# Altium PCB Project_board_V3.0.PcbDoc (part 1 of 2) (continued)
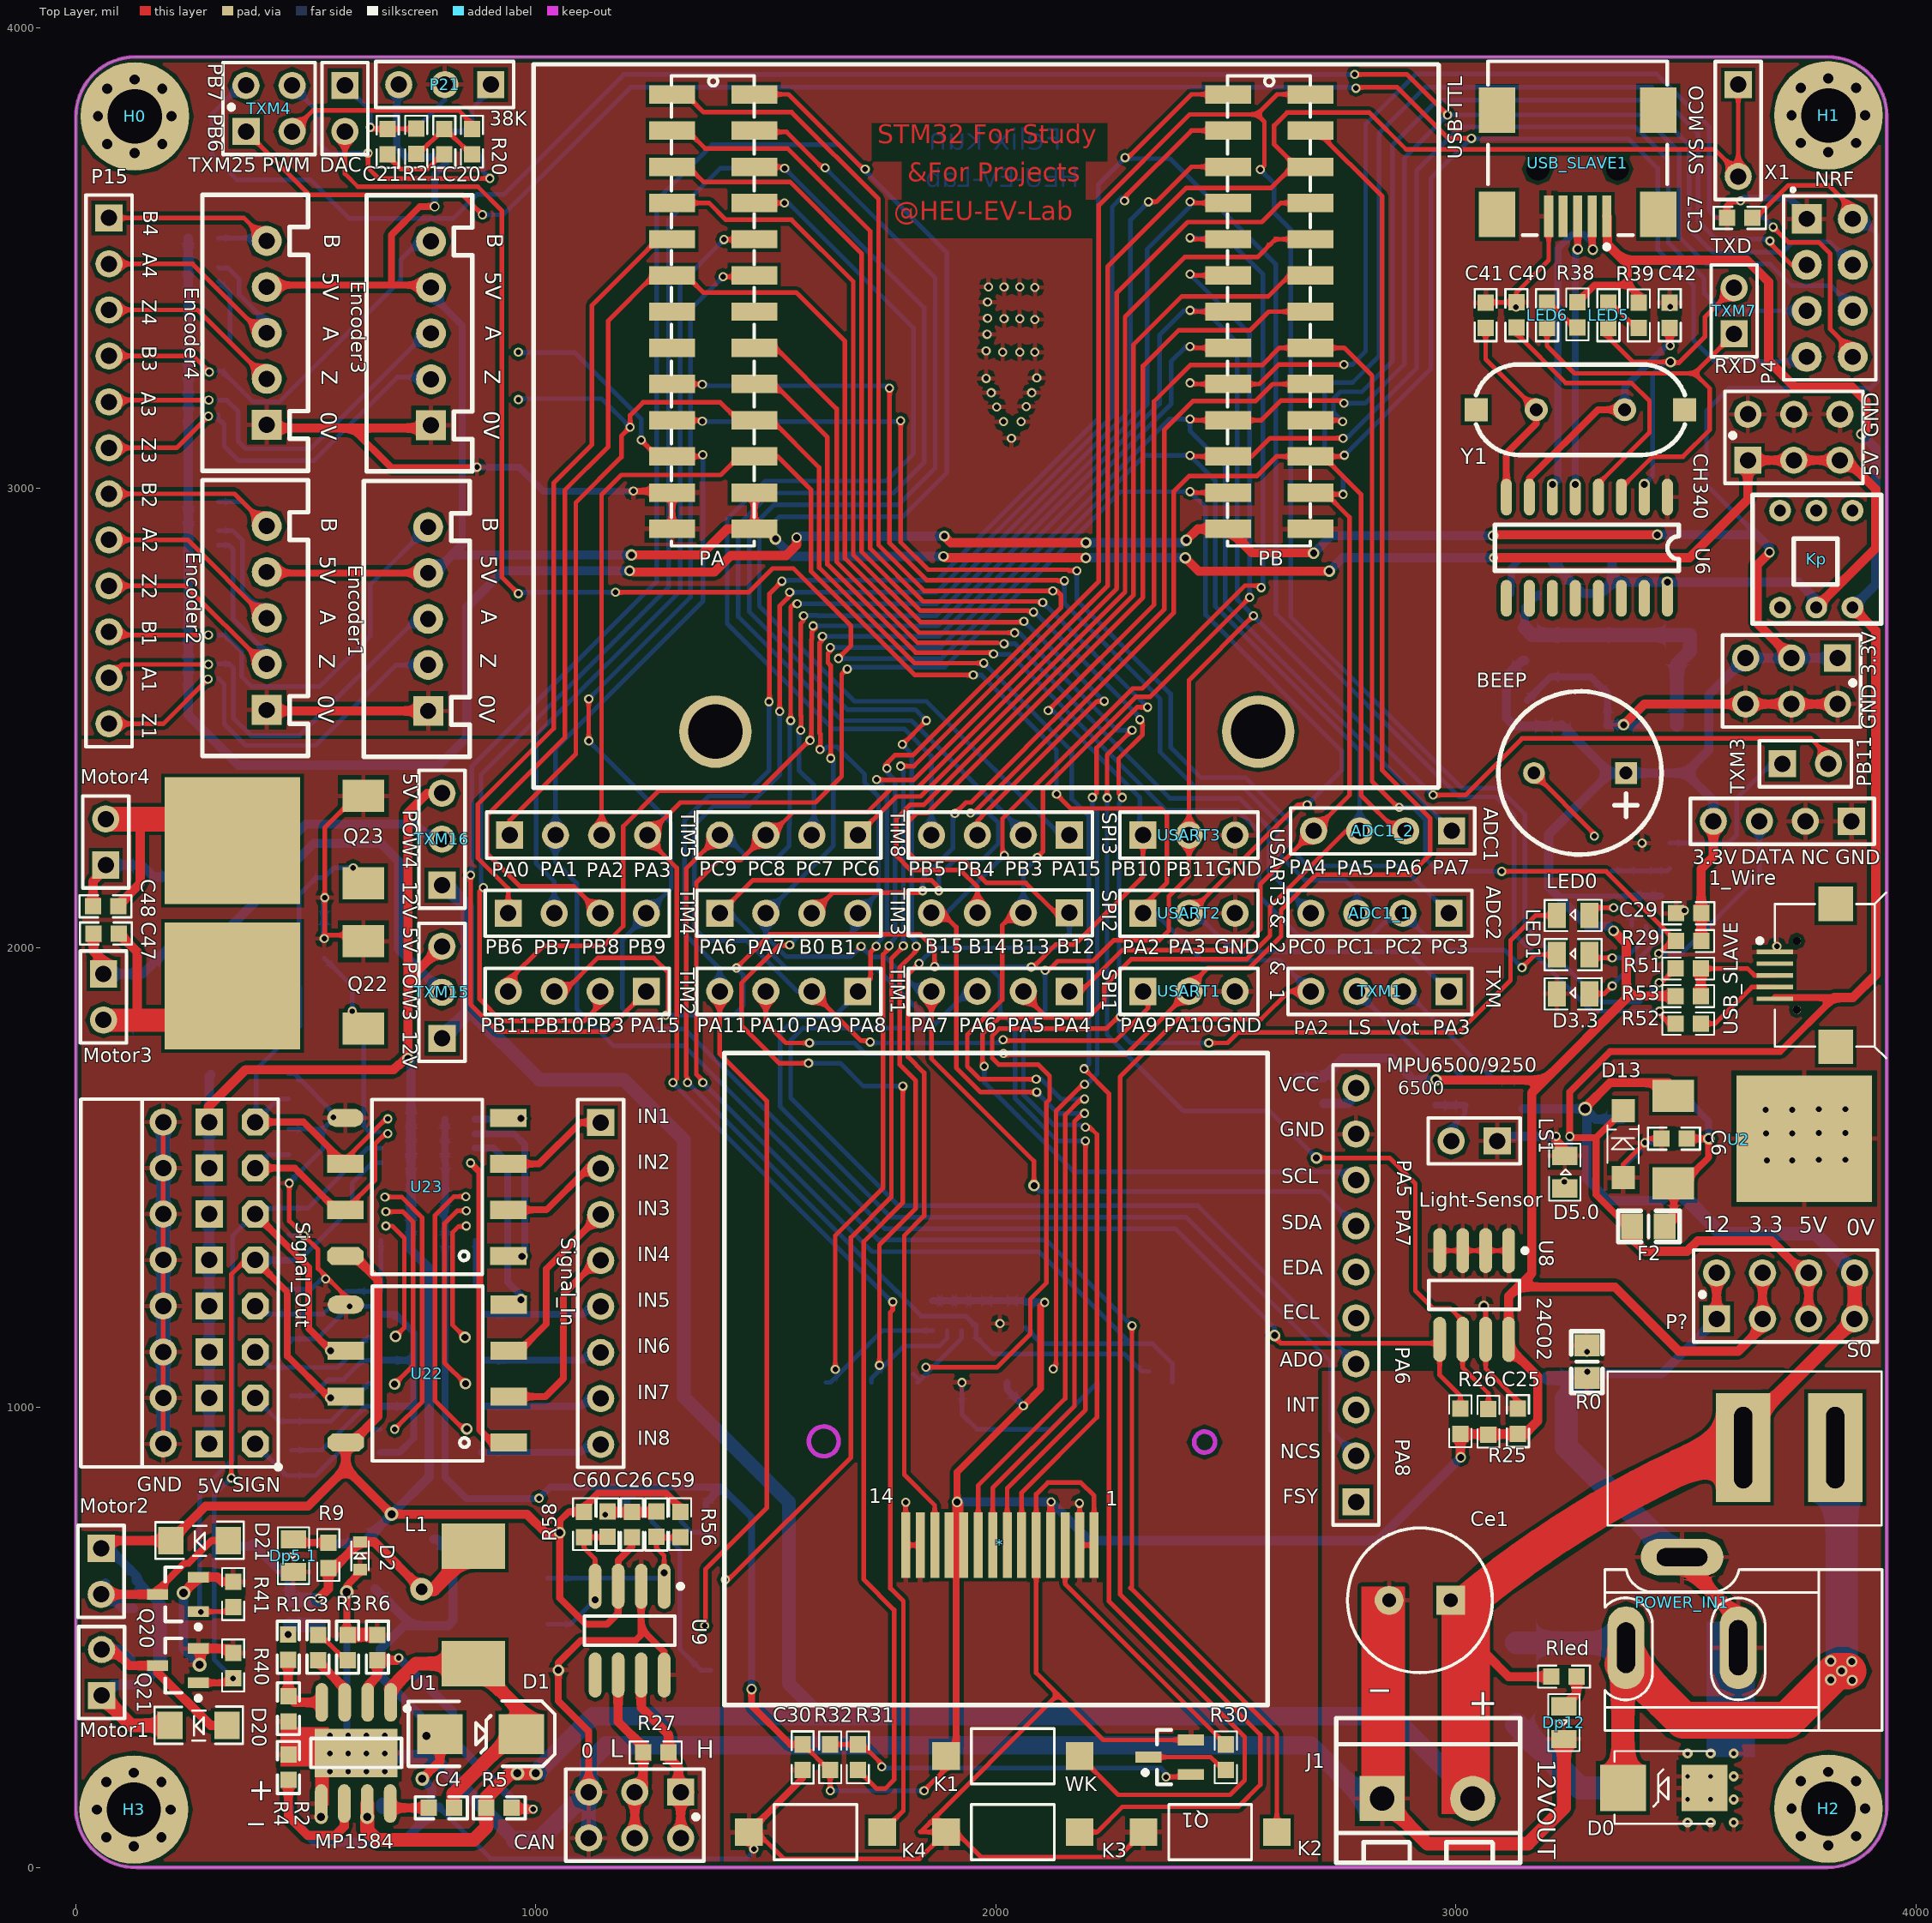
[diagram p0: Top Layer view]
## Footprints (in the part's own frame and the unit in brackets; to place one, negate y for a bottom-side part, rotate by r counter-clockwise, add the part's x,y. Pads: shape width x height; smd on the part's side, far side on the other; paste and mask are expansions set on the pad)
BELL-5 [mm]
  rect 1.2x1.2 hole 0.7: 1(-2.54,0)
  round 1.2 hole 0.7: 2(2.54,0)
  silkscreen extent -4.51,-4.51 4.51,4.51
C1210_M [mm] "Chip Capacitor, Body 3.2x2.5mm, IPC Low Density"
  rect 1.5x2.8 smd: 1(-1.55,0) 2(1.55,0)
  silkscreen extent -0.4,-1.3 0.4,1.3, body extent -1.7,-1.35 1.7,1.35, height 1.5
CAP_0603_16*08 [mm]
  rect 0.9x0.9 smd: 1(-0.7,0) 2(0.7,0)
  silkscreen extent -1.45,-0.61 1.42,0.61, body extent -1.31,-0.49 1.29,0.51, height 0.89
CAP_0805_20*12 [mm] "Chip Resistor, Body 2.0x1.2mm, IPC Medium Density"
  rect 1.2x1.4 smd: 1(-0.9,0) 2(0.9,0)
  silkscreen extent -1.72,-0.87 1.67,0.86, body extent -1.5,-0.69 1.5,0.71, height 0.93
CAP_1206 [mm] "Chip Capacitor, Body 3.2x1.6mm, IPC High Density"
  rect 1.6x1.7 smd: 1(-1.35,0) 2(1.35,0)
  silkscreen extent -2.44,-1.14 2.44,1.14, body extent -2.1,-0.87 2.1,0.93, height 0.95
Cap_elc_330uF16V [mm]
  rect 1.6x1.6 hole 0.762: 1(-1.7,0)
  round 1.6 hole 0.762: 2(1.7,0)
  silkscreen extent -4,-4 4,4
Diode1206 [mil] "1N4148"
  rect 55x60 smd: 1(-62,0) 2(62,0)
  silkscreen extent -96,-41 96,40, body extent -70,-29 68,29, height 56
DPAK [mil]
  rect 90x70 smd: 1(-160,100) 3(-160,-90)
  rect 295.28x275.6 smd: 2(124.63,6.81)
FUSE3.5*5.5 [mm] "5.6V/2.6A"
  rect 1.4x3.2 smd: 1(-2.54,0) 2(2.54,0)
  silkscreen extent -3.56,-1.78 3.56,1.78
HDR2X4 [mil] "Connector; Header; 4x2 Position"
  rect 65x65 hole 35: 1(0,0)
  round 65 hole 35: 2(0,100) 3(100,0) 4(100,100) 5(200,0) 6(200,100) 7(300,0) 8(300,100)
  silkscreen extent -67,-50 350,150
HEAD2L-0.8 [mm]
  rect 2.5x2.5 hole 1.35: 1(0,0)
  round 2.5 hole 1.35: 2(5,0)
  silkscreen extent -2.54,-3.56 7.62,4.44
HeadER1*2_pin [mm]
  rect 1.5x1.5 hole 0.9: 1(-1.27,0)
  round 1.5 hole 0.9: 2(1.27,0)
  silkscreen extent -2.54,-1.27 2.54,1.27, body extent -2.51,-1.25 2.57,1.25, height 8.64
HEADER1*3_PIN [mm]
  rect 1.5x1.5 hole 0.9: 1(-2.54,0)
  round 1.5 hole 0.9: 2(0,0) 3(2.54,0)
  silkscreen extent -3.81,-1.27 3.81,1.27, body extent -3.84,-1.22 3.78,1.28, height 8.54
HEADER1*4_PIN [mm]
  rect 1.5x1.5 hole 0.9: 1(-3.81,0)
  round 1.5 hole 0.9: 2(-1.27,0) 3(1.27,0) 4(3.81,0)
  silkscreen extent -5.08,-1.27 5.08,1.27, body extent -5.05,-1.31 5.11,1.19, height 8.67
HEADER1*8_PIN [mm]
  rect 1.5x1.5 hole 0.9: 1(-6.858,1.016)
  round 1.5 hole 0.9: 2(-4.318,1.016) 3(-1.778,1.016) 4(0.762,1.016) 5(3.302,1.016) 6(5.842,1.016) 7(8.382,1.016) 8(10.922,1.016)
  silkscreen extent -8.13,-0.25 12.19,2.29, body extent -8.15,-0.16 12.17,2.34, height 3.03
HEADER1*10_PIN [mm] "Connector; Header; 10 Position"
  rect 1.5x1.5 hole 0.9: 1(-11.43,0)
  round 1.5 hole 0.9: 2(-8.89,0) 3(-6.35,0) 4(-3.81,0) 5(-1.27,0) 6(1.27,0) 7(3.81,0) 8(6.35,0) 9(8.89,0) 10(11.43,0)
  silkscreen extent -12.7,-1.27 12.7,1.27, body extent -12.7,-1.25 12.7,1.25, height 3.03
HEADER1*12_PIN [mm] "Connector; Header; 12 Position"
  rect 1.5x1.5 hole 0.9: 1(-13.97,0)
  round 1.5 hole 0.9: 2(-11.43,0) 3(-8.89,0) 4(-6.35,0) 5(-3.81,0) 6(-1.27,0) 7(1.27,0) 8(3.81,0) 9(6.35,0) 10(8.89,0) 11(11.43,0) 12(13.97,0)
  silkscreen extent -15.24,-1.27 15.24,1.27, body extent -15.24,-1.25 15.24,1.25, height 8.57
HEADER2*2_PIN [mm] "Connector; Header; 2x2 Position"
  rect 1.5x1.5 hole 0.9: 1(-1.27,-1.27)
  round 1.5 hole 0.9: 2(-1.27,1.27) 3(1.27,-1.27) 4(1.27,1.27)
  silkscreen extent -2.54,-2.54 2.54,2.54, body extent -2.54,-2.52 2.54,2.52, height 8.54
HEADER2*3_PIN [mm] "Connector; Header; 3x2 Position"
  rect 1.5x1.5 hole 0.9: 1(-2.54,-1.27)
  round 1.5 hole 0.9: 2(0,-1.27) 3(2.54,-1.27) 4(-2.54,1.27) 5(0,1.27) 6(2.54,1.27)
  silkscreen extent -3.81,-2.54 3.81,2.54, body extent -3.78,-2.51 3.84,2.53, height 2.49
HEADER2*4_PIN [mm] "Connector; Header; 4x2 Position"
  rect 1.5x1.5 hole 0.9: 1(-3.81,-1.27)
  round 1.5 hole 0.9: 2(-1.27,-1.27) 3(1.27,-1.27) 4(3.81,-1.27) 5(-3.81,1.27) 6(-1.27,1.27) 7(1.27,1.27) 8(3.81,1.27)
  silkscreen extent -5.08,-2.54 5.08,2.54, body extent -5.05,-2.47 5.11,2.57, height 8.54
HEADER2*13_SMD [mm]
  rect 1.016x2.54 smd: 1(-13,2.27) 2(-11,2.27) 3(-9,2.27) 4(-7,2.27) 5(-5,2.27) 6(-3,2.27) 7(-1,2.27) 8(1,2.27) 9(3,2.27) 10(5,2.27) 11(7,2.27) 12(9,2.27) 13(11,2.27) 14(11,-2.27) 15(9,-2.27) 16(7,-2.27) 17(5,-2.27) 18(3,-2.27) 19(1,-2.27) 20(-1,-2.27) 21(-3,-2.27) 22(-5,-2.27) 23(-7,-2.27) 24(-9,-2.27) 25(-11,-2.27) 26(-13,-2.27)
  silkscreen extent -14.02,-2.3 11.94,2.27
HEADER3*8 [mm]
  oct 1.5x1.5 hole 0.9: 1(3.81,1.27) 2(6.35,1.27) 3(8.89,1.27) 4(11.43,1.27) 5(13.97,1.27) 6(16.51,1.27) 7(19.05,1.27) 8(21.59,1.27)
  rect 1.5x1.5 hole 0.9: 9(3.81,3.81) 10(6.35,3.81) 11(8.89,3.81) 12(11.43,3.81) 13(13.97,3.81) 14(16.51,3.81) 15(19.05,3.81) 16(21.59,3.81)
  round 1.5 hole 0.9: 17(3.81,6.35) 18(6.35,6.35) 19(8.89,6.35) 20(11.43,6.35) 21(13.97,6.35) 22(16.51,6.35) 23(19.05,6.35) 24(21.59,6.35)
  silkscreen extent 2.41,-0.13 2.67,0.13
Header_U [mm]
  rect 1.5x1.5 hole 0.9: 1(-2.591,-0.025)
  round 1.5 hole 0.9: 2(2.489,-0.025)
  silkscreen extent -3.86,-1.3 3.76,1.24
IND_SMD22uh [mm]
  rect 2.5x3.5 smd: 1(-3.238,0) 2(3.238,0)
  body extent -3.58,-3.12 3.61,3.38, height 4.05
KEY_2 [mil]
  rect 60x60 smd: 1(-9.76,150) 2(-9.76,-140)
  silkscreen extent -70,-85 50,95
LED_0805 [mm]
  rect 1x1.4 smd: 1(-0.9,0) 2(0.9,0)
  silkscreen extent -1.57,-0.87 1.57,0.86, body extent -0.94,-0.66 1.09,0.61, height 1.1
P5 [mil]
  rect 65x65 hole 35: 1(-200,0)
  round 65 hole 35: 2(-100,0) 3(0,0) 4(100,0) 5(200,0)
  silkscreen extent -300,-90 300,140
PAD [mm]
  round 6 hole 3: 0(0,0)
  round 1 hole 0.562: 1(0,2.032) 2(1.524,1.524) 3(2.032,0) 4(1.524,-1.524) 5(0,-2.032) 6(-1.524,-1.524) 7(-2.032,0) 8(-1.524,1.524)
  body extent -3.6,-3.12 3.6,3.12, height 3.33
POW_DC [mil]
  oval 80x180 hole 39.37 slot 110 at 90 deg: 1(419.09,170)
  oval 80x180 hole 39.37 slot 120 at 90 deg: 2(175,170)
  oval 180x80 hole 39.37 slot 110 at 0 deg: 3(297.05,-26.85)
  silkscreen extent -138,0 465,350, body extent -133,-41 442,333, height 430
POWER_PADS [mm]
  oval 5x8 smd: 1(3,0)
  oct 5x8 smd: 2(-3,0)
RES_0603_16*08 [mm]
  rect 0.9x0.9 smd: 1(-0.7,0) 2(0.7,0)
  silkscreen extent -1.45,-0.61 1.42,0.61, body extent -0.77,-0.37 0.83,0.43, height 0.5
RES_0805_20*12 [mm] "Chip Resistor, Body 2.0x1.2mm, IPC Medium Density"
  rect 1.2x1.4 smd: 1(-0.9,0) 2(0.9,0)
  silkscreen extent -1.72,-0.87 1.67,0.86, body extent -0.97,-0.6 1.03,0.66, height 0.68
RES_FOUR_0603 [mil]
  rect 30x23.62 smd: 1(-32.5,47.24) 2(-32.5,15.75) 3(-32.5,-15.75) 4(-32.5,-47.24) 5(32.5,-47.24) 6(32.5,-15.75) 7(32.5,15.75) 8(32.5,47.24)
  silkscreen extent -18,-58 18,58
SDCARD_L [mm]
  rect 1.2x1.8 smd: 1(0,0) 2(-2.489,0) 3(-4.983,-0.009) 4(-7.483,-0.009) 5(-9.983,-0.009) 6(-12.483,-0.009) 7(-14.908,-0.009) 9(2.517,-0.009)
  rect 1.1x1.8 smd: 8(-16.612,0)
  rect 0.7x1.8 smd: 10(-17.908,-0.009) 12(-19.101,0)
  rect 1.5x2.8 smd: 11(-20.726,-23.834) 11(-20.726,-2.143) 11(4.826,-2.143) 11(7.01,-23.784)
  Keep-Out Layer circle w0.254: c2.642,-3.26 r0.82
  Keep-Out Layer circle w0.254: c-18.39,-3.3 r0.58
  silkscreen extent -20.13,-26.3 6.44,-0.9
SMA [mm] "DO-214-AA/SMA; 2 C-Bend Leads; Body 5.3 x 3.6 mm, inc. leads (LxW)"
  rect 2.5x2.2 smd: 1(-2.25,0) 2(2.25,0)
  silkscreen extent -3.99,-1.78 4.1,1.83, body extent -2.77,-1.32 2.72,1.47, height 2.24
SMB [mm]
  rect 2.54x2.54 smd: 1(-2.25,0) 2(2.25,0)
  silkscreen extent -2.74,-2.03 2.72,1.98, body extent -2.8,-2.05 2.7,1.85, height 2.45
SMD-8/OPTION7 [mm] "VO4661"
  rect 2x1 smd: 1(-4.5,3.81) 2(-4.5,1.27) 3(-4.5,-1.27) 4(-4.5,-3.81) 6(4.5,-1.27) 7(4.5,1.27)
  oval 2x1 smd: 5(4.5,-3.81)
  oct 2x1 smd: 8(4.5,3.81)
  silkscreen extent -3.07,-4.83 3.03,4.83
SO8_M [mm] "SOIC, 8-Leads, Body 4.9x3.9mm, Pitch 1.27mm, IPC Low Density"
  oval 2.5x0.7 smd: 1(-2.45,1.905) 2(-2.45,0.635) 3(-2.45,-0.635) 4(-2.45,-1.905) 5(2.45,-1.905) 6(2.45,-0.635) 7(2.45,0.635) 8(2.45,1.905)
  silkscreen extent -2.57,-2.5 0.8,2.93, body extent -3,-2.45 3,2.45, height 1.7
SOD123 [mm] "Zener Diode"
  rect 1.27x1.27 smd: 1(-1.85,0) 2(1.85,0)
  silkscreen extent -1.07,-0.85 1.04,0.88, body extent -1.85,-0.81 1.85,0.79, height 1.2
SOD323 [mil] "Zener Doide"
  rect 40x50 smd: 1(-50,0) 2(50,0)
  silkscreen extent -50,-30 50,31, body extent -51,-26 51,26, height 39
SOD523 [mil]
  rect 25x30 smd: 1(20,0) 2(80,0)
  silkscreen extent 18,-19 82,19, body extent 18,-16 81,16, height 26
SOIC8E [mil]
  oval 84x27.56 smd: 1(-110,75.5) 2(-110,25.5) 3(-110,-24.5) 4(-110,-74.5) 5(110,-75.5) 6(110,-25.5) 7(110,24.5) 8(110,74.5)
  rect 105x180 smd: 5(0,0)
  silkscreen extent -101,-98 31,116, body extent -118,-96 118,97, height 67
SOP16 [mil]
  oval 80x24 smd: 1(0,0) 2(0,-50) 3(0,-100) 4(0,-150) 5(0,-200) 6(0,-250) 7(0,-300) 8(0,-350) 9(220,-350) 10(220,-300) 11(220,-250) 12(220,-200) 13(220,-150) 14(220,-100) 15(220,-50) 16(220,0)
  silkscreen extent 60,-375 160,25, body extent -27,-378 249,28, height 83
SOT23_J3Y [mm] "SOT23, 3-Leads, Body 2.9x1.3mm, Pitch 0.95mm, Lead Span 2.3mm - Reverse Pinning, IPC Low Density"
  rect 1.45x0.6 smd: 1(1.175,0) 2(-1.175,0.95) 3(-1.175,-0.95)
  silkscreen extent -0.1,-1.5 1.47,1.5
SOT223_M [mm] "SOT223, 4-Leads, Body 6.5x3.5mm, Pitch 2.3mm, Lead Span 7mm, IPC Low Density"
  rect 2.7x1 smd: 1(-2.95,2.3) 2(-2.95,0) 3(-2.95,-2.3)
  rect 2.7x3.3 smd: 4(2.95,0)
  silkscreen extent -3.07,-3.35 1.3,3.47, body extent -3.56,-3.25 3.4,3.25, height 1.73
SOT-23_MOSN [mm] "SI2302"
  rect 1.15x0.6 smd: 1(-0.998,1.077) 2(1.252,0.127) 3(-0.998,-0.823)
  silkscreen extent -1.12,-1.37 0.83,2.05, body extent -1.32,-1.32 1.48,1.58, height 1.23
Switch_boat_s [mm]
  rect 3x6 hole 1 slot 4.5 at 90 deg: 1(-2.54,0) 2(2.54,0)
  silkscreen extent -5.1,-4.2 10.03,4.3, body extent -5.01,-5.48 10.05,5.02, height 14.03
Switch_Self-Lock [mm] "自锁开关6.6X6.6"
  round 1.2 hole 0.65: 1(0,0) 2(2,0) 3(4,0) 4(4,5.35) 5(2,5.35) 6(0,5.35)
  silkscreen extent -1.52,-0.89 5.59,6.22
TFT_1.44 [mm]
  rect 0.5x3.6 smd: 1(5.2,0) 2(4.4,0) 3(3.6,0) 4(2.8,0) 5(2,0) 6(1.2,0) 7(0.4,0) 8(-0.4,0) 9(-1.2,0) 10(-2,0) 11(-2.8,0) 12(-3.6,0) 13(-4.4,0) 14(-5.2,0)
  silkscreen extent -15.22,-8.83 14.78,27.17
USB/SM0.8-6H5 [mm]
  rect 2.3x0.5 smd: 1(-7.85,-1.6) 2(-7.85,-0.8) 3(-7.85,0) 4(-7.85,0.8) 5(-7.85,1.6)
  rect 2.5x2 smd: 6(-7.75,4.45) 7(-1.996,4.45) 8(-7.75,-4.45) 9(-1.996,-4.45)
  round 0.6 hole 1.27 unplated: MH1(-5.25,2.2) MH2(-5.25,-2.2)
  silkscreen extent -9.67,-4.95 0.7,4.95
USB_micro_S [mm]
  rect 2x0.25 smd: 1(-3.203,-1.046) 2(-3.203,-0.396) 3(-3.203,0.254) 4(-3.203,0.904) 5(-3.203,1.554)
  rect 1.9x1.9 smd: 6(0.155,4.204) 7(0.155,-3.696)
  round 0.457 hole 0.457 unplated: ""(-1.995,-1.646) ""(-1.995,2.154)
  silkscreen extent -4.17,-4.31 2.93,4.82
XTAL_US [mil]
  round 50 hole 28: 1(0,0) 2(192.13,0)
  rect 50x50 smd: ""(-130.32,0) ""(322.44,0)
  silkscreen extent -131,-98 323,98

## Part data
1_Wire ADC1_1 ADC1_2 SPI1 SPI2 SPI3 TIM1 TIM2 TIM3 TIM4 TIM5 TIM8 TXM1: "Header, 4-Pin"
3.3V 5V CAN: "Header, 3-Pin, Dual row"
C1 C2 C5 C14 C38 Ce5: library part "Cap Pol", "Polarized Capacitor (Axial)"
C3 C4 C6 C15 C16 C17 C20 C21 C22 C25 C26 C29 C30 C39 C40 C41 C42 C45 C46 C47 C48 C50 C59 C60 C61 C62 C63 C64 C65 C66 C67 C68: library part Cap, "Capacitor"
Ce1: library part "Cap Elec"
D0 D2 D10 D12 D13 D14 D15: library part "D Zener", "Zener Diode"
D1 Dp: library part "D Schottky", "Schottky Diode"
D3.3 D5.0 Dp5.1 Dp12 LED0 LED1 LED5 LED6: library part LED, "Typical RED, GREEN, YELLOW, AMBER GaAs LED"
D20 D21 D22 D23: library part Diode, "Default Diode"
Encoder1 Encoder2 Encoder3 Encoder4: "Header, 5-Pin"
F1 F2 F3: library part "Fuse 1", "Fuse"
IC1: library part PS2805-4
J0 J1: library part HEAD2
Kp: library part SW_PUSH6
L1: library part Inductor, "Inductor"
LS1: "LIGHT SENS"
Motor1 Motor2 Motor3 Motor4 TXM3 TXM7 TXM25: "Header, 2-Pin"
MPU6500/9250: "Header, 10-Pin"
P4: library part "Header 8", "Header, 8-Pin"
P15: "Header, 12-Pin"
P21: library part "Header 3", "Header, 3-Pin"
P?: "Header, 4-Pin, Dual row"
PA PB: library part Header13*2
POWER_IN1: library part POW_DC
Q0 Q1: "NPN Bipolar Transistor"
Q20 Q21 Q22 Q23: library part MOSFET-N, "N-Channel MOSFET"
R0 R0_1 R0_2 R1 R2 R3 R4 R5 R6 R7 R8 R9 R10 R11 R16 R17 R18 R19 R20 R21 R22 R23 R25 R26 R27 R29 R30 R31 R32 R33 R34 R35 R36 R38 R39 R40 R41 R42 R43 R50 R51 R52 R53 R55 R56 R57 R58 Rled: library part RES_SMD, "Resistor"
Rf1 Rf2 Rf3 Rf4 Rf5 Rf6 Rf7 Rf8 Rf15 Rf20: library part RES_4P
S0: "Single-Pole, Single-Throw Switch"
Signal_In: "Header, 8-Pin"
Signal_Out: library part HEADER8*3
TXM4: "Header, 2-Pin, Dual row"
TXM15 TXM16 USART1 USART2 USART3: "Header, 3-Pin"
U1: "1.5MHz,5~28V,STEP-DOWN CONVERTER"
U2 U2_1: library part 78M05, "78M05"
U6: "USB2UART"
U22 U23: library part 6N137_DOUBLE
USB_SLAVE USB_SLAVE1: library part USB5
X1: library part Header_U
Y1: "Crystal Oscillator"

## Free pads (board coordinates)
  round 157.48 hole 118.11: 0(1390.5,2469.9) 2(2570.5,2469.9)

## Via types
v1: diameter 20, hole 12, Top Layer to Bottom Layer, 222 vias
v2: diameter 25, hole 15, Top Layer to Bottom Layer, 33 vias
v3: diameter 20, hole 13, Top Layer to Bottom Layer, 25 vias
v4: diameter 23, hole 15, Top Layer to Bottom Layer, 15 vias
v5: diameter 18, hole 12, Top Layer to Bottom Layer, 12 vias
v6: diameter 22, hole 10, Top Layer to Bottom Layer, 12 vias
v7: diameter 30, hole 18, Top Layer to Bottom Layer, 10 vias
v8: diameter 23, hole 14, Top Layer to Bottom Layer, 5 vias
v9: diameter 30, hole 15, Top Layer to Bottom Layer, 1 vias
v10: diameter 50, hole 25, Top Layer to Bottom Layer, 1 vias
v11: diameter 24, hole 14, Top Layer to Bottom Layer, 1 vias
v12: diameter 20, hole 11.8, Top Layer to Bottom Layer, 1 vias
v13: diameter 30, hole 20, Top Layer to Bottom Layer, 1 vias
v14: diameter 22, hole 15, Top Layer to Bottom Layer, 1 vias

## Nets (pads, with @x,y where several pads share a name; then routed paths per layer and width w, separated by ;. In a path a pad name is that pad's centre, name@x,y a point inside that pad or via, vN(x,y) a via of type N, cw(c..) or ccw(c..) an arc to the next point about the centre after c; other vN are vias at no path point)
5VOUT: C26.2 C45.1 C46.1 Ce5.1 D10.2 D20.2 D21.2 F1.2 Motor1.1 Motor2.1 R56.1 R58.1 Rf2.5 Rf2.6 Rf2.7 Rf2.8 Rf4.5 Rf4.6 Rf4.7 Rf4.8 Signal_Out.9 Signal_Out.10 Signal_Out.11 Signal_Out.12 Signal_Out.13 Signal_Out.14 Signal_Out.15 Signal_Out.16 TXM15.3 TXM16.3 U9.3 U21.8 U22.8 U23.8 | length 6399.5
  Top Layer w15: C26.2@1209,717.44 1209,698 1179,668 U9.3@1179,611.46 1179,553 1155,529 1109,529 1052,586 v2(1052,728) 1052,754 1071.56,773.56 R58.1@1105,773.56 1105,784 1135,814 1283,814 1314,783 R56.1@1314,772.56
  Top Layer w20: Motor2.1@55,694 72,711 D21.2@207,711 282,786 504.83,786 586.83,868 ; Signal_Out.9@290,921 Signal_Out.9@293,918 ; Signal_Out.16@290,1628.06 290,1647 288,1645 288,1654 369,1735 691,1735 702,1746 ; U23.8@585.83,1330 605,1330 657,1278 657,981 600,924 U22.8@586.83,924 586.83,868 ; 703,1745 722,1764 722,1929 ; TXM15.3@796,2003 722,1929 ; TXM16.3@796,2336 764,2336 722,2294 722,1929 ; v2(1052,728) 1021,728 980.66,768.34 v7(686.5,768.34) 586.83,868
  Top Layer w30: Motor1.1@56,374 121,309 D20.2@205,309
  Bottom Layer w20: Motor1.1@56,374 79.44,397.44 C45.1@120,397.44 142.98,397.44 183.54,438 ; Motor2.1@56,710 131,635 131,624 182.42,572.58 182.42,568.58 ; Signal_Out.9@290,904 Signal_Out.9@290,921 Signal_Out.10@290,1021 Signal_Out.11@290,1121 Signal_Out.12@290,1221 Signal_Out.13@290,1321 Signal_Out.14@290,1421 Signal_Out.15@290,1521 Signal_Out.16@290,1621 290,1720.98 Ce5.1@293,1723.98 ; F1.2@562,704 622.16,704 D10.2@632.16,714 v7(686.5,768.34) 768,849.84 768,1303 728.5,1342.5 Rf2.8@728.5,1363.76 Rf2.7@728.5,1395.25 Rf2.6@728.5,1426.75 Rf2.5@728.5,1458.24 Rf4.8@728.5,1532.76 Rf4.7@728.5,1564.25 Rf4.6@728.5,1595.75 Rf4.5@728.5,1627.24 728.5,1752.5 v2(722,1759)
  Bottom Layer w30: 182.42,568.58 182.42,438 183.54,438
AGND: C26.1 C59.2 C60.2 C61.2 C62.2 C63.2 C64.2 C65.2 C66.2 C67.2 C68.2 CAN.3 CAN.6 Ce1.2 Ce5.2 D0.1 D2.1 Dp5.1.2 Dp12.2 IC1.9 IC1.11 IC1.13 IC1.15 J0.1 J1.1 P?.1 P?.5 POWER_IN1.2 POWER_IN1.3 Q20.3 Q21.3 Q22.3 Q23.3 R0.1 R0_1.1 R0_2.1 R2.2 R3.1 R4.2 R6.1 R10.1 R40.1 R41.1 R42.1 R43.1 Signal_Out.17 Signal_Out.18 Signal_Out.19 Signal_Out.20 Signal_Out.21 Signal_Out.22 Signal_Out.23 Signal_Out.24 U1.5 U9.2 U9.8 U21.5 U22.5 U23.5 | length 10439.5
  Top Layer w10: Signal_Out.17@190,928.06 Signal_Out.24@190,1621 ; v1(464,1488) 464,1406 v1(496,1374) 526.5,1343.5 526.5,1302.5 586.83,1242.17 U22.5@586.83,1224 ; v1(540,2020) 541,2021 v1(541,2109) 541,2260.59 Q23.3@623.83,2343.43 ; 547.43,2027.43 Q22.3@623.83,2027.43 ; v1(1151,767) 1254.62,767 C59.2@1262,774.38 ; POWER_IN1.2@3612,469 POWER_IN1.2@3612,543.8
  Top Layer w15: R3.1@589,508 v7(589,599) 589,613 D2.1@623,647 ; CAN.3@1115,164 1115,296 1049,362 v2(1049,429) 1049,445 1098,494 1217,494 1229,506 1229,519 ; C60.2@1156,773.56 C59.2@1261,773.56 ; U9.2@1229,611.46 1229,519 ; U9.8@1279,418.54 1279,469 1229,519
  Top Layer w19.68: P?.1@3567,1193 P?.5@3567,1293
  Top Layer w20: v7(234,597) 266.29,629.29 Q21.3@266.29,631.4 307.6,631.4 317.44,621.56 R41.1@342,621.56 ; v7(269,441) 273,469.69 Q20.3@266.29,476.4 R40.1@332.16,476.4
  Top Layer w30: R3.1@591,506 R6.1@655.67,506 ; J1.1@2840,150 2938,52 3157,52 3235,130 Dp12.2@3235,279.57 ; POWER_IN1.3@3489.95,665.85 POWER_IN1.2@3612,543.8
  Bottom Layer w10: C63.2@461,1257.56 511.56,1257.56 532,1278 ; C67.2@462,1726.56 474.44,1726.56 566.22,1634.78 537,1605.56 ; C64.2@463,1375.56 464.56,1374 v1(496,1374) ; C65.2@463,1488.56 537,1562.56 537,1605.56 ; C66.2@463,1605.56 537,1605.56 ; C62.2@467,1142.56 467,1149.5 524.5,1149.5 v1(595,1220) 645,1220 IC1.15@662,1203 ; C68.2@468,907.56 534.56,907.56 630,1003 IC1.11@662,1003 ; C61.2@468,1025.56 513.56,1025.56 549,1061 582,1061 624,1103 IC1.13@662,1103
  Bottom Layer w15: R42.1@540,2032.56 R43.1@540,2097.44 ; v7(589,599) 589,275 597,267 ; IC1.9@662,903 704,903 735,934 735,1000 ; IC1.11@662,1003 732,1003 735,1000 ; IC1.13@662,1103 735,1103 ; IC1.15@662,1203 695,1203 735,1163 735,1103 ; 735,1000 735,1103
  Bottom Layer w19.68: R0_1.1@3285,1064.13 3294.87,1074 3448,1074 P?.1@3567,1193
  Bottom Layer w20: v7(234,597) 234,476 v7(269,441) ; v5(552,248) v5(592,248)
  Bottom Layer w30: Signal_Out.17@190,928.06 Signal_Out.24@190,1628.06 ; 591,259 609,241 774,241 955,60 ; CAN.6@1115,64 CAN.3@1115,164 CAN.3@1115,167 ; J1.1@2800,150 J1.1@2840,150 ; R0_2.1@3200,1064.13 R0_1.1@3285,1064.13 ; POWER_IN1.3@3489.15,665.85 POWER_IN1.3@3489.95,665.85
  Bottom Layer w40: 955,60 1008,60 1115,167 1115,228 1153,266 2684,266 J1.1@2800,150
  Bottom Layer w50: R0_1.1@3285,1064.13 3240,1019.13 3240,915 POWER_IN1.3@3489.15,665.85
  other v1: 543,1280 560,1631
  other v3: 3286,1078
  other v5: 552,209 592,209 632,209 672,209 632,248 672,248 552,287 592,287 632,287 672,287
  other v6: 3504.11,98 3554.11,98 3604.11,98 3504.11,148 3554.11,148 3604.11,148 3504.11,198 3554.11,198 3604.11,198 3504.11,248 3554.11,248 3604.11,248
  other v7: 533,110
CAN_1RX: C60.1 R58.2 U9.4 U21.6 | length 294.2
  Top Layer w10: U9.4@1129,611.46 1129,671 1105,695 R58.2@1105,718.44 1153.13,718.44 C60.1@1156,721.32
  Bottom Layer w10: U21.6@1025.83,529 1076,529 v2(1129,582)
CAN_1TX: C59.1 R56.2 U9.1 U21.7 | length 432.7
  Top Layer w10: C59.1@1261,724.32 1267.87,717.44 1314,717.44 R56.2@1310,713.44 ; C59.1@1262,717.44 1262,695 1279,678 v2(1279,641) U9.1@1279,611.46
  Bottom Layer w10: U21.7@1025.83,629 1267,629 v2(1279,641)
CAN_H: CAN.1 CAN.4 R27.2 U9.7 | length 400.4
  Top Layer w20: U9.7@1229,418.54 1229,348 1288.56,288.44 R27.2@1288.56,250 ; R27.2@1288,240 1310,218 1310,177 1315,172 CAN.1@1315,164 ; CAN.4@1315,64 CAN.1@1315,164 ; CAN.1@1335,164 CAN.1@1315,164
CAN_L: CAN.2 CAN.5 R27.1 U9.6 | length 398.7
  Top Layer w20: U9.6@1179,418.54 1179,317 1233.44,262.56 R27.1@1233.44,250 1233.44,182.44 CAN.2@1215,164 CAN.5@1215,64
  Bottom Layer w20: CAN.2@1215,164 CAN.2@1215,178
CH340_D+: U6.5 USB_SLAVE1.3 | length 585
  Top Layer w15: v4(3265,3519) USB_SLAVE1.3@3265,3590.94
  Bottom Layer w15: v4(3260,3008) 3260,3514 v4(3265,3519)
CH340_D-: U6.6 USB_SLAVE1.2 | length 702.4
  Top Layer w15: USB_SLAVE1.2@3296.5,3590.94 3296.5,3519.5 v4(3298,3518)
  Bottom Layer w15: v4@3212,3006 3222,3016 3222,3520 3253,3551 3279,3551 3298,3532 v4(3298,3518)
  other v4: 3210,3008
ECOD1_A: Encoder1.3 P15.11 Rf5.3 | length 918.3
  Top Layer w10: P15.11@72,2587 101,2616 v3(288,2616)
  Bottom Layer w10: Rf5.3@309.5,2617.25 333.75,2617.25 342.5,2608.5 342.5,2499.5 381,2461 486,2461 740,2715 Encoder1.3@766,2715
ECOD1_B: Encoder1.5 P15.10 Rf5.1 | length 962.3
  Top Layer w10: P15.10@72,2687 79,2680 v3(288,2680)
  Bottom Layer w10: Rf5.1@309.5,2680.24 323.76,2680.24 360.5,2643.5 360.5,2589.5 382,2568 530,2568 640,2678 640,2789 Encoder1.5@766,2915
ECOD1_Z: Encoder1.2 P15.12 Rf5.4 | length 895.1
  Top Layer w10: P15.12@72,2487 190,2487 v3(287,2584)
  Bottom Layer w10: Rf5.4@309.5,2585.76 322.5,2572.76 322.5,2486.5 369,2440 521,2440 696,2615 Encoder1.2@766,2615
ECOD2_A: Encoder2.3 P15.8 Rf6.3 | length 665.5
  Top Layer w10: P15.8@72,2887 243,2887 413,2717 Encoder2.3@415,2717
  Bottom Layer w10: Rf6.3@309.5,2906.92 341.08,2906.92 362,2886 362,2775 415,2722 Encoder2.3@415,2717
ECOD2_B: Encoder2.5 P15.7 Rf6.1 | length 499.4
  Top Layer w10: P15.7@72,2987 345,2987 Encoder2.5@415,2917
  Bottom Layer w10: Rf6.1@309.5,2969.91 362.09,2969.91 Encoder2.5@415,2917
ECOD2_Z: Encoder2.2 P15.9 Rf6.4 | length 729.1
  Top Layer w10: P15.9@72,2787 239,2787 409,2617 Encoder2.2@415,2617
  Bottom Layer w10: Rf6.4@309.5,2875.42 332.58,2875.42 342,2866 342,2715 415,2642 Encoder2.2@415,2617
ECOD3_A: Encoder3.3 P15.5 Rf7.3 | length 863
  Top Layer w10: P15.5@72,3187 76,3191 v3(289,3191)
  Bottom Layer w10: Rf7.3@309.5,3190.59 328.41,3190.59 353,3166 353,3101 369,3085 510,3085 Encoder3.3@766,3341
ECOD3_B: Encoder3.5 P15.4 Rf7.1 | length 889.6
  Top Layer w10: P15.4@72,3287 255,3287 v3(290,3252)
  Bottom Layer w10: Rf7.1@309.5,3253.58 318.42,3253.58 385,3187 442,3187 706,3451 706,3496 751,3541 Encoder3.5@766,3541
ECOD3_Z: Encoder3.2 P15.6 Rf7.4 | length 850.5
  Top Layer w10: P15.6@72,3087 219,3087 v3(288,3156)
  Bottom Layer w10: Rf7.4@309.5,3159.09 309.5,3150.5 322.5,3137.5 322.5,3090.5 354,3059 517,3059 699,3241 Encoder3.2@766,3241
ECOD4_A: Encoder4.3 P15.2 Rf8.3 | length 603.4
  Top Layer w10: P15.2@72,3487 254,3487 404,3337 Encoder4.3@415,3337
  Bottom Layer w10: Rf8.3@309.5,3480.25 311.75,3478 331,3478 355,3454 355,3420.25 415,3360.25 Encoder4.3@415,3337
ECOD4_B: Encoder4.5 P15.1 Rf8.1 | length 471.8
  Top Layer w10: P15.1@72,3587 365,3587 Encoder4.5@415,3537
  Bottom Layer w10: Rf8.1@309.5,3543.24 408.76,3543.24 Encoder4.5@415,3537
ECOD4_Z: Encoder4.2 P15.3 Rf8.4 | length 661.6
  Top Layer w10: P15.3@72,3387 265,3387 Encoder4.2@415,3237
  Bottom Layer w10: Rf8.4@309.5,3448.76 311.24,3448.76 335,3425 335,3317 Encoder4.2@415,3237
GND: 1_Wire.1 1_Wire.2 3.3V.4 3.3V.5 3.3V.6 5V.4 5V.5 5V.6 *.1 *.2 *.5 *.13 *.14 C1.2 C2.2 C5.2 C6.1 C14.2 C15.1 C16.1 C17.2 C22.2 C25.1 C29.1 C30.1 C38.2 C39.1 C40.2 C41.1 C42.1 C50.1 D1.1 D3.3.2 D5.0.2 D10.1 D12.1 D13.1 D14.1 D15.1 Encoder1.1 Encoder2.1 Encoder3.1 Encoder4.1 K2.1 K3.1 K4.1 LS1.1 MPU6500/9250.9 P4.1 P21.2 PA.14 PA.15 PB.13 Q0.3 Q1.3 R0.2 R0_1.2 R0_2.2 R10.2 R18.1 R35.1 SDcard.3 SDcard.6 U2.2 U2_1.2 U3.1 U6.1 U8.1 U8.2 U8.3 U8.4 U8.7 USART1.3 USART2.3 USART3.3 USB_SLAVE1.5 USB_SLAVE.5 | length 9385.5
  Top Layer w10: v1(1474,40) 1463,51 K4.1@1463,77.24 1480.76,77.24 1539,19 1833.76,19 K3.1@1892,77.24 ; v1(1804,794) 1804,701.28 *.14@1804.28,701 *.13@1835.77,701 ; v1(2182,792) 2182.23,791.77 *.2@2182.23,701 *.1@2213.72,701 2213.72,808.28 2185,837 2113,837 2087.74,811.74 *.5@2087.74,701 2087.74,423.26 2135,376 ; K2.1@2321,77.24 2266.76,23 1968,23 1913.76,77.24 1836.24,77.24 2135,376 ; Q1.3@2424.26,277.4 2233.6,277.4 2135,376 ; U8.4@2965,1341.46 U8.3@3015,1341.46 U8.2@3065,1341.46 U8.1@3115,1341.46 ; v4(3061,1221) 3065,1217 U8.7@3065,1148.54 3065,1085 3135,1015 C25.1@3135,997.56 ; C41.1@3065,3402.56 3066,3403.56 C40.2@3131.67,3403.56 3131.67,3424.67 3202.01,3495.01 USB_SLAVE1.5@3202.01,3590.94 ; D13.1@3364,1500.16 3364,1529 v1(3411,1576) 3420,1585 C6.1@3447.44,1585
  Top Layer w15: 600,3130 686,3044 871,3044 v1(872,3045) ; v1(1212,2993) 1292.7,2993 PA.15@1296.13,2989.57 PA.14@1296.13,2910.83 ; K4.1@1463,77.24 1580,194.24 C30.1@1580,212.44 ; C17.2@3589.44,3587 3589.44,3612.66 3600.78,3624 v1@3621,3624
  Top Layer w20: Encoder4.1@415,3137 422,3130 600,3130 766,3130 Encoder3.1@772,3136 ; Encoder2.1@416,2515 Encoder1.1@766,2515 ; v7(753,193) 791.42,231.42 D1.1@791.42,290 ; v1@3218,1580.4 3236.4,1562 3236.77,1562 3237,1561.77 D5.0.2@3237,1547.43 ; v2(3365,2485) 3410,2530 3.3V.6@3630,2530 3.3V.5@3730,2530 3.3V.4@3830,2530
  Bottom Layer w10: C22.2@733,3774.56 802,3843.56 P21.2@802,3877 ; C1.2@790,131 902,19 1458,19 1474,35 v1(1474,40) ; v1(1926.18,1054.64) 1926.18,985.82 1959,953 2119.82,953 SDcard.6@2221.46,1054.64 SDcard.6@2221.46,1034.54 ; C5.2@3362,1520.85 3411,1569.85 v1(3411,1576) 3438,1576 D12.1@3446,1584
  Bottom Layer w15: v1(872,3045) 964,3045 1016,2993 v1(1212,2993) ; D14.1@3120,2770 3120,2825.43 C38.2@3139.57,2845 ; C15.1@3155,2537.56 3206.89,2589.45 U3.1@3276.86,2589.45 3293.55,2589.45 3330,2553 D15.1@3330,2485 ; v1(3619,3624) 3625,3630 3726,3630 3763,3593 P4.1@3763,3585
  Bottom Layer w20: R10.2@464.57,130 464.57,110.43 520,55 710,55 774.15,119.15 C1.2@774.15,131 ; C2.2@650.85,606 730.85,526 ; v7(753,193) 774.15,171.85 C1.2@774.15,131 ; v7@764,288 764,315 662,417 662,475 713,526 730.85,526 ; D10.1@777.84,714 786,714 820,680 820,537 809,526 730.85,526 ; C1.2@790,131 C1.2@774.15,131 ; LS1.1@3090,1580 3100,1590 v1(3218,1590) ; D15.1@3330,2485 v2(3365,2485) C14.2@3409.57,2485
  other v1: 3285,1121 2009,1183 3698,2003 3497,2081 3405,2227.56 2034,3108 2017,3144 2055,3144 2002,3176 2066,3177 1990,3207 2078,3207 1979,3238 2089,3239 2015,3295 2052,3295 2085,3295 1979,3298 1981,3334 2085,3366 2018,3368 2052,3368 1982,3369 3131,3393 3466,3394 1982,3404 2085,3436 1984,3437 2018,3437 2052,3437
  other v3: 3676,1538 3731,1538 3789,1539 3847,1539 3675,1596 3731,1596 3789,1597 3847,1597 3674,1648 3731,1648 3789,1649 3847,1649
  other v7: 762,286
Net*_3: *.3 R30.2 | length 578.1
  Top Layer w10: *.3@2150.73,701 2150.73,616.83 R30.2@2500,267.56
NetBEEP_2: BEEP.2 Q0.1 | length 198.3
  Top Layer w10: BEEP.2@3170,2380 3170,2379 3301,2248 v1(3301,2243)
  Bottom Layer w10: BEEP.2@3170,2380 BEEP.2@3177,2380
NetC2_1: C2.1 D2.2 F1.1 L1.2 R7.2 R8.2 R9.2 | length 746.5
  Top Layer w20: v1(528.33,585.33) 549,606 R9.2@549,651.44 561.44,651.44 D2.2@618,708 649,708 v10(752,605)
  Top Layer w30: v10(752,605) 778,605 L1.2@864,691
  Bottom Layer w15: v10(752,605) C2.1@752,620
  Bottom Layer w20: F1.1@353,698 F1.1@376,698 ; F1.1@385,704 465.33,623.67 R8.2@465.33,584
  Bottom Layer w30: R8.2@465.33,584 467.33,582 R7.2@528.33,582
NetC3_1: C3.1 R3.2 | length 87.5
  Top Layer w10: C3.1@526.33,506 531,506 R3.2@586.12,450.88
  Top Layer w15: R3.2@586.12,450.88 R3.2@591,450.88
NetC3_2: C3.2 U1.3 | length 116
  Top Layer w20: C3.2@526.33,450.88 526.33,447.67 584.5,389.5 U1.3@584.5,359
NetC4_1: C4.1 U1.8 | length 88.5
  Top Layer w20: U1.8@683.5,139 693.06,129.44 767.44,129.44 C4.1@767.44,130
NetC4_2: C4.2 D1.2 L1.1 U1.1 | length 669.3
  Top Layer w20: U1.1@684.5,359 U1.1@684.5,388.5 ; D1.2@982.58,282 D1.2@982.58,324.92
  Top Layer w30: U1.1@684.5,388.5 739.5,443.5 L1.1@864,443.5 D1.2@982.58,324.92 ; C4.2@820.56,146 820.56,160.56 942,282 D1.2@982.58,282
NetC6_2: C6.2 D12.2 F2.1 U2.3 U2_1.3 | length 474.8
  Top Layer w15: F2.1@3455.43,1387 3474.17,1405.73 3474.17,1474.57 3480.57,1474.57 3550,1544 v2(3550,1585) C6.2@3502.56,1585
  Bottom Layer w15: U2_1.3@3475.17,1697.43 3550,1622.59 v2(3550,1585) ; D12.2@3506,1584 v2@3549,1584
NetC14_1: C14.1 D14.2 F3.1 U3.2 U3.4 | length 659.4
  Bottom Layer w15: F3.1@3150,2695.43 3150,2740 D14.2@3180,2770
  Bottom Layer w30: F3.1@3150,2695.43 3165.43,2680 U3.2@3276.86,2680 U3.4@3509.14,2680 3509.14,2645 3480.43,2616.29 C14.1@3480.43,2485
NetC20_1: C20.1 C21.1 | length 152.4
  Top Layer w10: C21.1@677.89,3725.38 677.89,3721.11 705.83,3693.17 763.93,3693.17 796.15,3725.38 C20.1@801.11,3725.38
NetC20_2: C20.2 R20.2 R21.1 | length 166.9
  Top Layer w10: R21.1@740,3725.88 744.96,3725.88 799.58,3780.5 C20.2@801.11,3780.5 803.5,3780.5 859.12,3724.88 R20.2@861.22,3724.88
NetC21_2: C21.2 R21.2 TXM25.1 | length 223
  Top Layer w10: TXM25.1@585,3875 TXM25.1@592.56,3875 ; v1(640,3784) 643.5,3780.5 C21.2@677.89,3780.5 739.5,3780.5 R21.2@740,3781
  Bottom Layer w10: TXM25.1@585,3875 640,3820 v1(640,3784)
NetC40_1: C40.1 U6.4 | length 618
  Top Layer w10: C40.1@3131.67,3348.44 3131.67,3335.33 3239,3228 3382,3228 3421,3189 3421,3120 3310,3009 U6.4@3310,2980
NetC41_2: C41.2 U6.8 Y1.1 | length 439.9
  Top Layer w10: C41.2@3065,3347.44 3065,3280 Y1.1@3175,3170
  Top Layer w15: U6.8@3110,2980 3110,3075 3175,3140 Y1.1@3175,3170
NetC42_2: C42.2 U6.7 Y1.2 | length 533.3
  Top Layer w15: U6.7@3160,2980 3160,3021 3309,3170 Y1.2@3367.13,3170 ; C42.2@3465,3347.44 3465,3310 v1(3466,3309)
  Bottom Layer w15: Y1.2@3367.13,3170 3367.13,3218.13 3458,3309 v1(3466,3309)
NetC45_2: C45.2 D20.1 Motor1.2 Q20.2 | length 422.8
  Top Layer w20: Motor1.2@56,474 81,474 116,439 Q20.2@177.71,439 177.71,424.29 293,309 D20.1@329,309
  Bottom Layer w20: Motor1.2@56,474 98.56,474 C45.2@120,452.56
NetC46_2: C46.2 D21.1 Motor2.2 Q21.2 | length 430
  Top Layer w15: Q21.2@177.71,602.72 236.2,661.21 244.92,661.21 294.71,711 D21.1@331,711
  Top Layer w20: Motor2.2@55,594 Q21.2@177.71,594 Q21.2@177.71,602.72
  Bottom Layer w20: Motor2.2@64.56,618.56 56,610 102.56,563.44 C46.2@125,563.44
NetC47_1: C47.1 D22.2 Motor3.1 TXM15.2 | length 1198.7
  Top Layer w20: C47.1@38.44,2031 38.44,1992.56 60,1971 Motor3.1@60,1943
  Bottom Layer w20: Motor3.1@60,1945 Motor3.1@60,1943 145,1943 D22.2@155,1953 201,1999 289,1999 517,2227 663,2227 702,2188 702,1997 TXM15.2@796,1903
NetC47_2: C47.2 D22.1 Motor3.2 Q22.2 | length 297.8
  Top Layer w20: C47.2@93.56,2031 133.56,1991 133.56,1855.44 137,1852
  Bottom Layer w20: Motor3.2@60,1843 74,1829 D22.1@155,1829
NetC48_1: C48.1 D23.2 Motor4.1 TXM16.2 | length 904.5
  Top Layer w20: C48.1@37.44,2090 37.44,2144.44 65,2172 Motor4.1@65,2180
  Bottom Layer w20: Motor4.1@65,2180 143,2180 D23.2@155,2168 169,2154 385,2154 500,2269 738,2269 771,2236 TXM16.2@796,2236
NetC48_2: C48.2 D23.1 Motor4.2 Q23.2 | length 272.7
  Top Layer w20: C48.2@92.56,2090 92.56,2092.56 140,2140 140,2265
  Bottom Layer w20: Motor4.2@65,2280 D23.1@143,2280
NetC61_1: C61.1 IC1.12 Rf2.3 Signal_Out.2 | length 764.8
  Top Layer w10: v1(674,1426) 711,1426 733,1404 733,1091 v2(693,1051)
  Bottom Layer w10: Signal_Out.2@390,1021 440.56,970.44 C61.1@468,970.44 554.44,970.44 637,1053 IC1.12@662,1053
NetC62_1: C62.1 IC1.14 Rf2.2 Signal_Out.3 | length 585.7
  Top Layer w10: v1(674,1395) 688,1395 714,1369 714,1174 v2(695,1155)
  Bottom Layer w10: Signal_Out.3@390,1121 423.56,1087.44 C62.1@467,1087.44 569.44,1087.44 635,1153 IC1.14@662,1153
NetC63_1: C63.1 IC1.16 Rf2.1 Signal_Out.4 | length 386.3
  Bottom Layer w10: Signal_Out.4@407.56,1203.44 C63.1@466,1203.44 537.44,1203.44 587,1253 IC1.16@662,1253 663.5,1254.5 Rf2.1@663.5,1363.76
NetC68_1: C68.1 IC1.10 Rf2.4 Signal_Out.1 | length 926.5
  Top Layer w10: v1(672,1458) 708,1458 753,1413 753,1013 v1(693,953)
  Bottom Layer w10: Signal_Out.1@390,921 458.56,852.44 C68.1@468,852.44 521.44,852.44 622,953 IC1.10@662,953
NetD0_2: D0.2 Dp.2 POWER_IN1.1 S0.1 | length 1601
  Top Layer w50: D0.2@3363.42,173 POWER_IN1.1@3363.42,442.61
  Top Layer w80: POWER_IN1.1@3363.42,442.61 POWER_IN1.1@3367.91,447.09 ; POWER_IN1.1@3367.91,469 POWER_IN1.1@3367.91,447.09 ; 3853,427 3827,427 3720,320 3495,320 POWER_IN1.1@3367.91,447.09
  Bottom Layer w50: Dp.2@3132,488.58 POWER_IN1.1@3359.32,488.58
  Bottom Layer w60: S0.1@3825,913 S0.1@3839,899
  Bottom Layer w70: v2@3839,425 S0.1@3839,899
  other v2: 3862,407 3815,408 3839,427.42 3861,448 3815,449
NetD3.3_1: D3.3.1 Rf15.2 | length 230.9
  Top Layer w10: D3.3.1@3290.43,1900 3323,1900 v1(3340,1917)
  Bottom Layer w10: v1(3340,1917) 3340,1918.53 3445.75,2024.27 Rf15.2@3445.75,2047.5
NetD5.0_1: D5.0.1 R11.2
  other v12: 3236,1491
NetDp5.1_1: Dp5.1.1 R9.1 | length 78.8
  Top Layer w15: Dp5.1.1@473,713.43 479.87,706.56 R9.1@549,706.56
NetDp12_1: Dp12.1 Rled.1 | length 76
  Top Layer w20: Dp12.1@3235,350.43 3262.56,377.99 Rled.1@3262.56,415
NetDp_1: Dp.1 J0.2 | length 243.2
  Bottom Layer w50: Dp.1@3132,311.42 3270.42,173 J0.2@3317.89,173
NetIC1_1: IC1.1 Rf1.8 | length 116.3
  Bottom Layer w10: Rf1.8@868.5,1363.76 868.5,1266.5 IC1.1@882,1253
NetIC1_2: IC1.2 Signal_In.5 | length 266
  Bottom Layer w15: IC1.2@882,1203 1102,1203 1119,1220 Signal_In.5@1141,1220
NetIC1_3: IC1.3 Rf1.7 | length 274.6
  Top Layer w10: v2(846,1153) 819,1180 819,1381 832,1394 v1@849,1394
  other v1: 849,1395
NetIC1_4: IC1.4 Signal_In.6 | length 266
  Bottom Layer w15: IC1.4@882,1103 1101,1103 1118,1120 Signal_In.6@1141,1120
NetIC1_5: IC1.5 Rf1.6 | length 426.7
  Top Layer w10: v2(847,1052) 801,1098 801,1400 829,1428 v1(849,1428)
NetIC1_6: IC1.6 Signal_In.7 | length 266
  Bottom Layer w15: IC1.6@882,1003 1098,1003 1115,1020 Signal_In.7@1141,1020
NetIC1_7: IC1.7 Rf1.5 | length 581.2
  Top Layer w10: v1(848,1459) 822,1459 781,1418 781,1015 842,954 v2(850,954)
NetIC1_8: IC1.8 Signal_In.8 | length 266
  Bottom Layer w15: IC1.8@882,903 1097,903 1114,920 Signal_In.8@1141,920
NetLED0_1: LED0.1 Rf15.4 | length 124.4
  Top Layer w10: LED0.1@3290.43,2070 3307.43,2087 v1(3343,2087)
  Bottom Layer w10: v1(3343,2087) 3358,2087 3382.76,2062.24 Rf15.4@3382.76,2047.5
NetLED1_1: LED1.1 Rf15.3 | length 170.3
  Top Layer w10: LED1.1@3290.43,1985 3297.43,1978 v1(3340,1978)
  Bottom Layer w10: v1(3340,1978) 3370,1978 3414.25,2022.25 Rf15.3@3414.25,2047.5
NetLED5_1: LED5.1 R39.1 | length 88.8
  Top Layer w10: LED5.1@3331.67,3402.56 3336.44,3402.56 3391.06,3347.94 R39.1@3397.83,3347.94
NetLED6_1: LED6.1 R38.2 | length 88.4
  Top Layer w10: LED6.1@3198.33,3402.56 3203.44,3402.56 3257.06,3348.94 R38.2@3264.5,3348.94
NetLS1_2: LS1.2 R33.2 R34.1 | length 152.4
  Bottom Layer w10: LS1.2@2990,1580 2990,1609 3019.75,1638.75 R33.2@3019.75,1657.44
  Bottom Layer w15: R34.1@2957.13,1657.44 R33.2@3019.75,1657.44
NetMPU6500/9250_10: MPU6500/9250.10 R16.2 | length 100.9
  Bottom Layer w20: R16.2@2713,1661.44 2766.44,1661.44 MPU6500/9250.10@2800,1695
NetP4_8: P4.8 R17.2 | length 455.5
  Top Layer w10: v1(3690,3567) 3723,3534 3789,3534 3814,3509 3814,3345 3863,3296 P4.8@3863,3285
  Bottom Layer w10: R17.2@3645.56,3588 3669,3588 v1(3690,3567) ; P4.8@3863,3275 P4.8@3863,3285
NetP21_1: P21.1 R22.1 R23.2 | length 179.1
  Bottom Layer w10: R22.1@795.75,3775.06 856,3775.06 R23.2@857,3774.06 ; R23.2@861,3776.56 861,3824 902,3865 P21.1@902,3877
NetQ0_2: Q0.2 R18.2 R19.2 | length 127.7
  Bottom Layer w10: Q0.2@3339.29,2167.6 3460.16,2167.6 R19.2@3465,2172.44
NetQ1_1: Q1.1 R30.1 | length 193.6
  Top Layer w10: Q1.1@2331.74,240 2467,240 2494.56,212.44 R30.1@2500,212.44 R30.1@2490.16,202.6
NetQ1_2: Q1.2 R31.2 R32.2 | length 824
  Top Layer w10: R32.2@1640,267.56 R31.2@1700,267.56 1709.44,267.56 1752,225 v1(1752,219) ; v1(2370,197) 2418.66,197 Q1.2@2424.26,202.6
  Bottom Layer w10: v1(1752,219) 1755,216 2359,216 2370,205 v1(2370,197)
NetR1_1: R1.1 R2.1 U1.4 | length 157.6
  Top Layer w20: R1.1@461.67,451.88 461.67,372.89 R2.1@462,372.56 475.56,359 U1.4@534.5,359
NetR1_2: R1.2 R7.1 R8.1 | length 63.8
  Bottom Layer w30: R8.1@465.33,528.88 467.33,526.88 R7.1@528.33,526.88
  other v9: 461.67,507
NetR4_1: R4.1 U1.6 | length 274.9
  Top Layer w20: R4.1@462,190.44 462,112 504,70 564,70 583.5,89.5 U1.6@583.5,139